# Altium PCB roach2.PcbDoc (part 7 of 39) (continued)
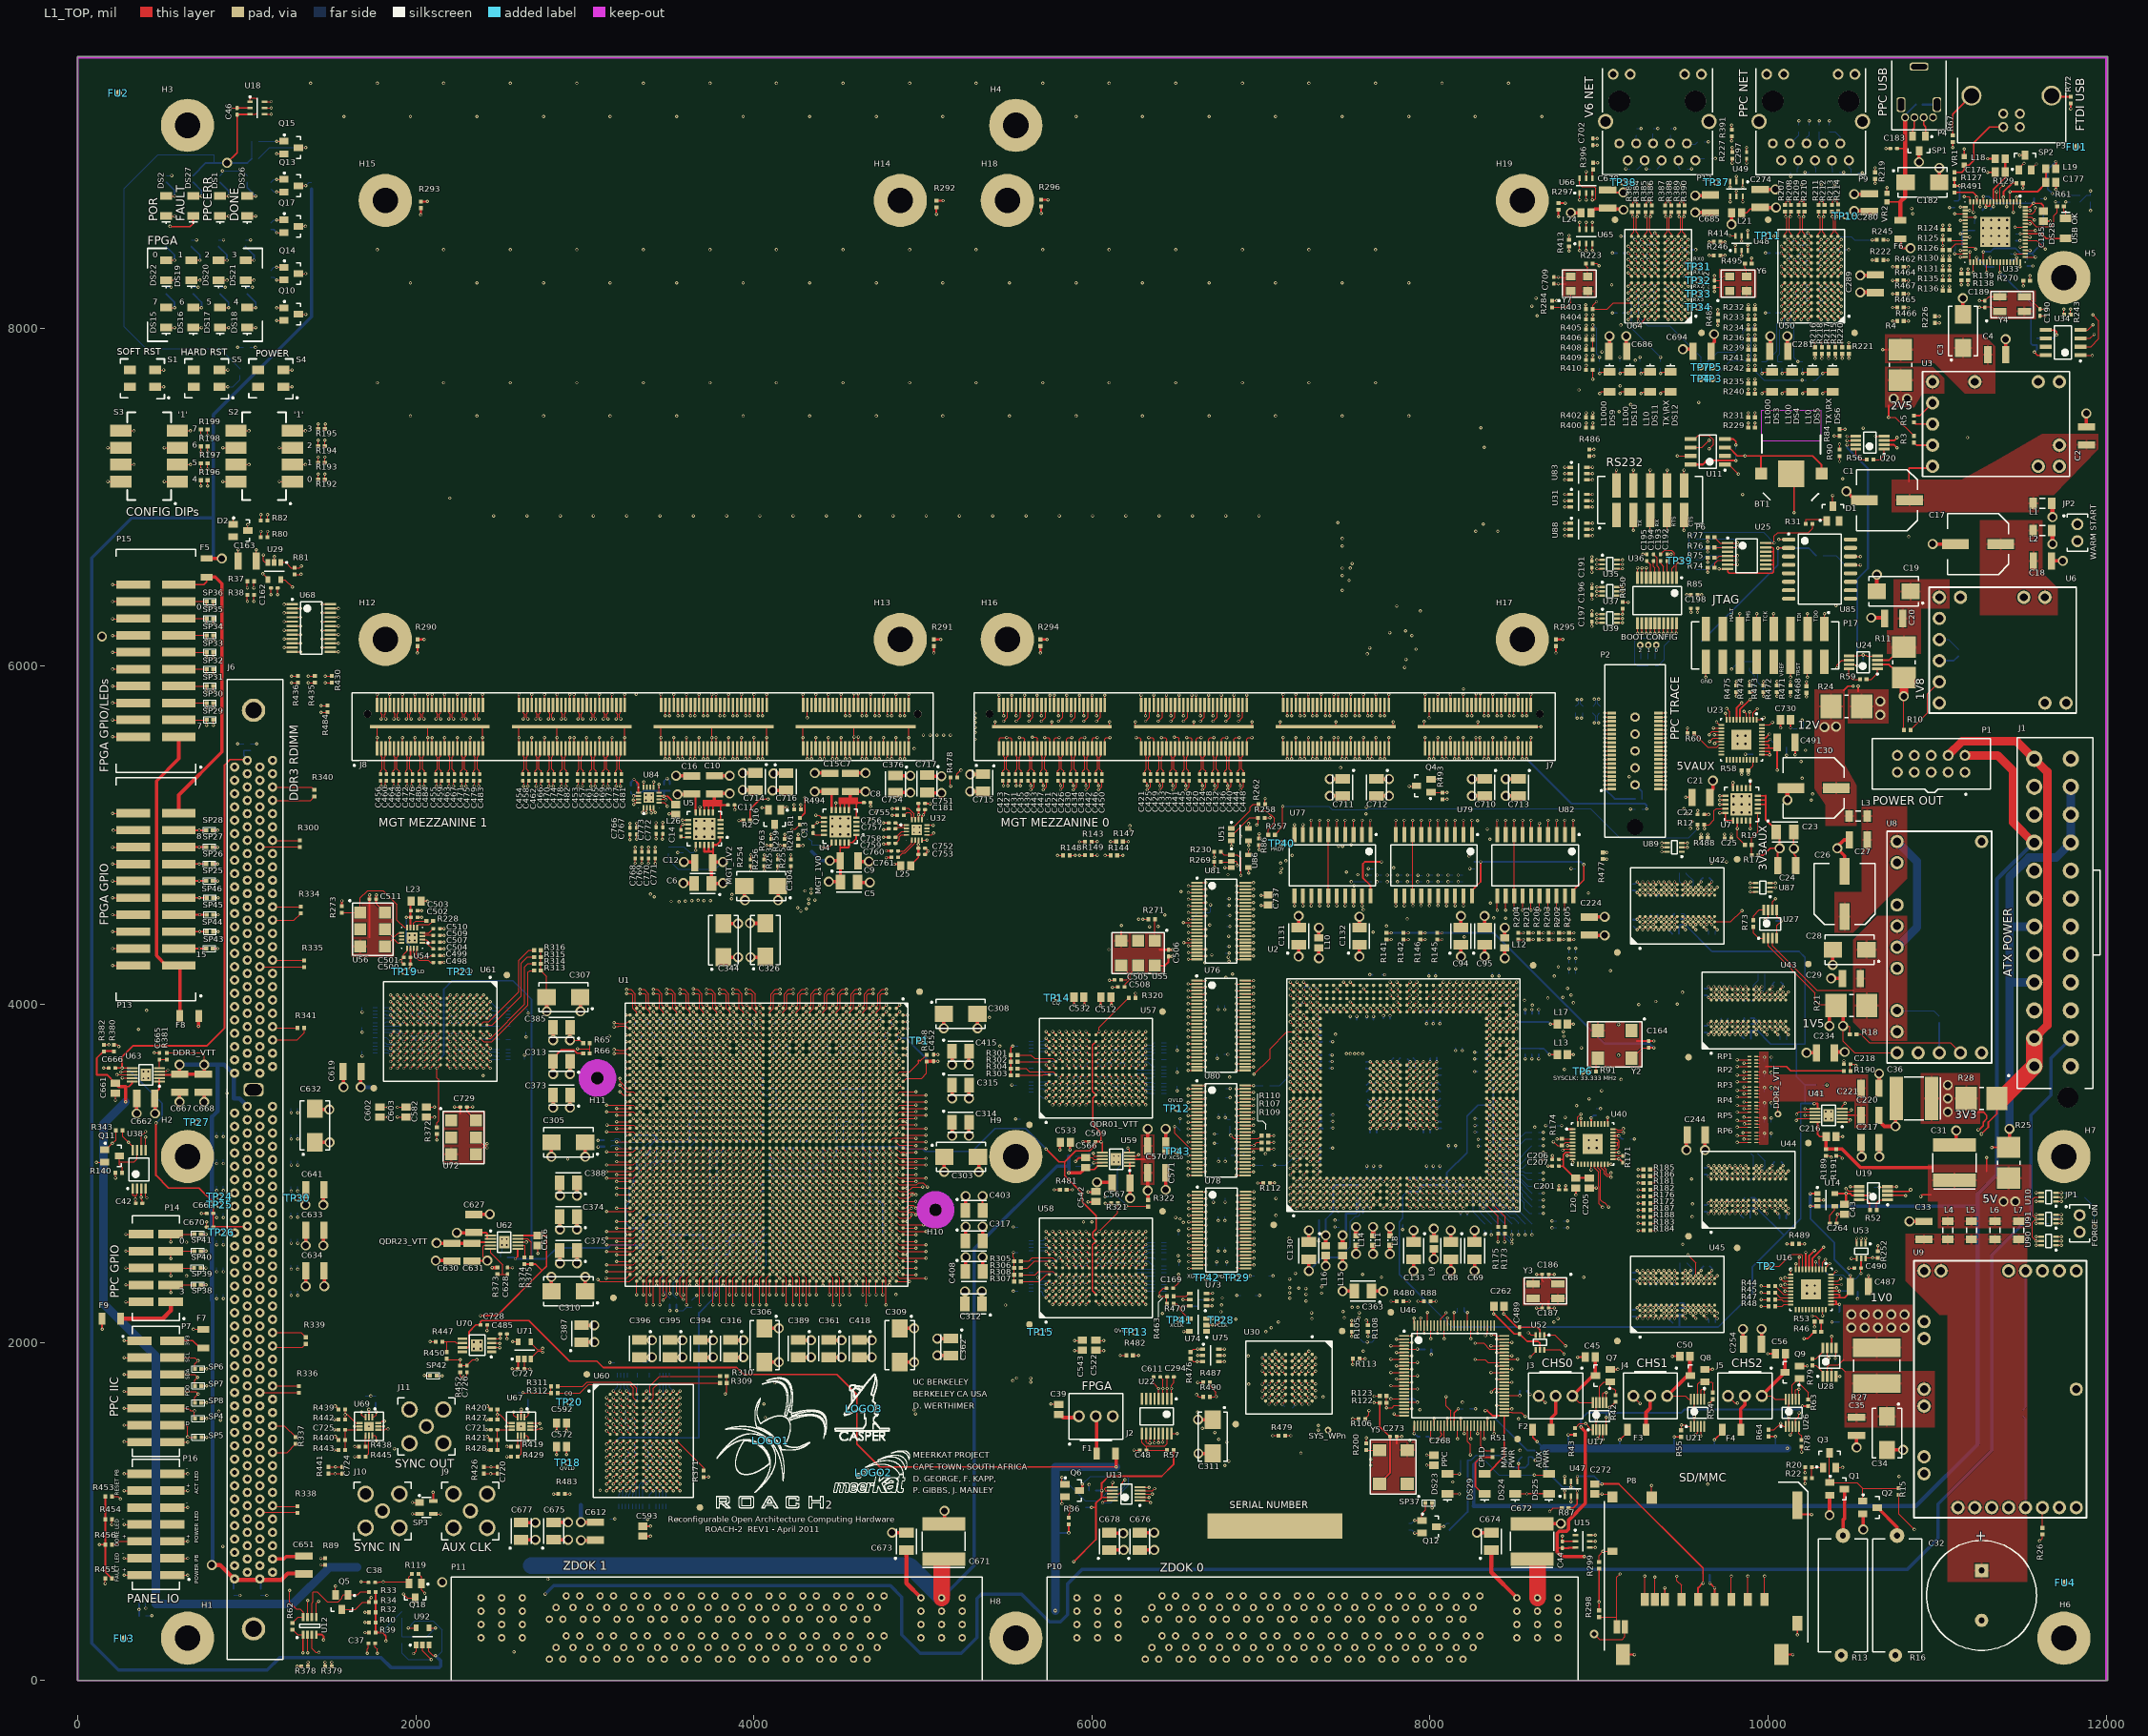
[diagram p0: L1_TOP view]
## Nets (pads, with @x,y where several pads share a name; then routed paths per layer and width w, separated by ;. In a path a pad name is that pad's centre, name@x,y a point inside that pad or via, vN(x,y) a via of type N, cw(c..) or ccw(c..) an arc to the next point about the centre after c; other vN are vias at no path point) (continued)
  L1_TOP w8: DS29.2@8322.99,1222.05 8336.22,1222.05 8439.25,1325.08 U46.51@8439.25,1566.77 ; R87.2@8819.69,1020 8846.77,1020 8870.08,1043.31 8870.08,1087.91 U47.3@8871.85,1089.68 ; R468.2@10226.99,5882.68 v7(10227,5909)
  L1_TOP w10: C727.2@2603.31,1842.99 2605.59,1845.28 U71.1@2605.59,1901.81 ; R2.2@3977.68,5087.99 3977.68,5155.68 4036,5214 v2(4084,5214) ; R1.2@4272.99,5102.68 4302,5131.69 v2(4302,5224) ; U77.20@7647.99,4641.89 7647.99,4703.3 7602.36,4748.93 7602.36,4830.71 7614.17,4842.52 v7(7712.6,4842.52) ; Y5.4@7700.31,1162.99 7763.31,1225.98 C273.2@7763.31,1442.99 ; R122.1@7703.31,1642.99 7703.31,1500.68 C273.2@7758.99,1444.99 ; U46.38@8142.99,1506.73 8142.99,1582.99 v2(8166.99,1606.99) ; U79.20@8247.99,4641.89 8247.99,4673.35 8299.2,4724.55 v7(8299.2,4842.51) ; v2(8326.99,1596.99) 8338.99,1596.99 8369.21,1566.77 U46.51@8439.25,1566.77 ; v2(8376.99,2168.99) 8380.01,2168.99 8498.69,2050.31 C489.2@8530,2050.31 8574.31,2006 8639.84,2006 8650,1995.84 U52.5@8650,1956.54 ; U82.20@8847.99,4641.89 8847.99,4674.76 8909.45,4736.22 v7(8909.45,4826.77) ; R298.2@9000,414.69 v2(9000,464) R299.2@9000,660.31 ; C164.2@9288.99,3742.99 v2(9323.99,3742.99) ; C490.2@10549.69,2440 10550,2440.32 U53.5@10550,2496.69 ; U19.2@10706.65,2870.2 10810.79,2870.2 v10(10812.99,2867.99) ; v10(11242.99,3257.99) 11247.99,3257.99 11272.99,3282.99 11272.99,3302.99 11292.99,3322.99 11292.99,3342.99 11272.99,3362.99 11242.99,3362.99
  L1_TOP w12: F9.2@144.88,2140 144.88,2078.12 v7(145,2078) ; v2@375.79,2859.65 U38.3@375.79,2909.8 ; C16.2@3646.99,5245.84 3655.81,5237.02 U5.10@3655.81,5134.46 ; U4.10@4459.81,5148.46 C15.2@4459.81,5251.02
  L1_TOP w20: v5@3535.99,5242.99 C16.2@3621.58,5242.99 ; v11(3933.99,5367.99) C714.1@4019.58,5367.99 ; v5(4360.99,5257.99) C15.2@4446.58,5257.99 ; v11(5279.99,5359.99) C715.1@5365.58,5359.99 ; L10.1@7342.99,4397.52 v5@7342.99,4442.99 ; v5@7382.99,2462.99 L16.2@7382.99,2508.46 ; v11(7407.99,5332.99) C711.1@7493.58,5332.99 ; v5@7482.99,2462.99 L15.1@7482.99,2508.46 ; v11(8247.99,5332.99) C710.1@8333.58,5332.99
  L1_TOP w25: C673.1@4902.99,771.81 4902.99,574.41 P11.Z3@4988.82,488.58 ; C674.1@8362.99,771.81 8362.99,639.41 P10.Z3@8513.82,488.58
  L3_S w3.8: v2(223.27,2972.8) v2@225.27,2972.8 ; v2(375.76,2859.62) v2@377.76,2859.62
  L3_S w10: v10(10812.99,2867.99) 10812.99,2922.99 10842.99,2952.99 10842.99,3002.99 10952.99,3112.99 11102.99,3112.99 11247.99,3257.99 v10(11242.99,3257.99)
  L5_S w70: P11.Z3@4988.82,488.58 P11.Y3@4988.82,409.84 P11.X3@4988.82,331.1 P11.W3@4988.82,252.36 4988.82,137.18 5076,50 8311.46,50 P10.W3@8513.82,252.36 P10.X3@8513.82,331.1 P10.Y3@8513.82,409.84 P10.Z3@8513.82,488.58
  L8_R w5: v2(7626.99,4764.36) v2(7686.99,4764.36) v2(7746.99,4764.36) v2(7806.99,4764.36) v2(7866.99,4764.36) 7928.09,4764.36 v2(7928.99,4763.47) 7945.47,4763.47 7962.56,4780.56 8030.79,4780.56 v2(8046.99,4764.36) v2(8106.99,4764.36)
  L8_R w12: v2(9458.15,6195.46) 9712.54,6195.46 9926,5982 9926,5908 9964,5870 10188,5870 v7(10227,5909)
  L9_R w10: v2(9281.68,5156.31) 9281.68,5016.75 9370.43,4928 v3(9371.28,4928) 9426,4928 9560,4794 9732,4794 9835,4691 v3(9894,4691)
  L12_S w12: v2(7746.99,4764.36) 7772.99,4738.36 7772.99,4424.99 v2(7770.99,4422.99)
  L14_S w10: v2(10549.69,2408.57) 10569.12,2428 10683,2428 10754,2499 10754,2809 v10(10812.99,2867.99)
  L14_S w12: 60.99,416.99 62.99,418.99 v2(362.99,418.99) ; 60.99,2076.99 v2(684.99,2076.99) ; 60.99,3106.99 62.71,3105.27 223.27,3105.27 ; 60.99,3896.99 62.99,3898.99 ; v2(300.99,3182.99) 223.27,3105.27 ; v2(375.76,2859.62) 375.76,2910.23 313.18,2972.8 v2(223.27,2972.8) 223.27,3105.27 ; J6.236@1077.8,757.95 1224.03,757.95 1259.1,722.88 v3(1438.33,722.88) 1771.1,722.88 1912.99,580.99 v5(2156.99,580.99) 2314.99,580.99 2576.99,842.99 2576.99,1530.99 2552.99,1554.99 2552.99,1826.31 v2(2570.68,1843.99)
  L14_S w50: v5(143.99,6175.99) 60.99,6092.99 60.99,3896.99 60.99,3106.99 60.99,2076.99 60.99,416.99 60.99,194.99 212.99,42.99 1940.99,42.99 2156.99,258.99 v5(2156.99,580.99)
  L16_BOT w5: R94.1@526,8903 v2@555.69,8903 ; R83.1@842.99,8902.68 856.99,8916.68 v2(856.99,8930.99) 974.68,8930.99 R457.1@1002.99,8902.68 ; v8(6746.96,2720.24) C734.2@6746.96,2744.24 ; v8(6786.23,3968.99) C738.2@6786.23,3992.99 ; v2(6787.99,2828.99) C742.2@6787.99,2852.99 ; v8(6788.23,3330.01) C748.2@6788.23,3354.01 ; v8@6788.99,3330.99 6802.31,3317.68 R121.1@6817.99,3317.68 ; C743.2@6794.99,4585.36 v8(6811.99,4585.36) ; C747.2@6798.99,4525.36 v2(6815.99,4525.36) ; R120.1@6822.99,3108.31 6824.85,3106.45 v1(6855.32,3106.45) ; v1@6854.99,3106.99 6891.68,3106.99 R117.1@6902.99,3118.31 ; C733.2@6967.3,2278.99 v2(6991.3,2278.99) ; C168.2@7027.56,1734.25 v1@7047.24,1753.94 ; C167.2@7066.93,1929.13 7068.9,1929.13 v1@7086.61,1946.85 ; C166.2@7187.01,1614.17 7204.73,1631.89 v1(7204.73,1633.86) ; R116.1@7582.99,2023.31 7603.31,2002.99 v2(7628.99,2002.99) 7657.68,2002.99 R118.1@7677.99,2023.31 ; v2@7627.31,4764.68 R99.2@7654.99,4764.68 ; v2@7687.31,4764.68 R98.2@7714.99,4764.68 ; v2@7747.31,4764.68 R97.2@7774.99,4764.68 ; v2(7768.55,1665.2) C263.2@7818.31,1665.2 ; v2@7807.31,4764.68 R100.2@7834.99,4764.68 ; v2@7867.31,4764.68 R102.2@7894.99,4764.68 ; v2@7929.31,4763.78 R101.2@7954.99,4763.78 ; v2@8047.31,4764.68 R104.2@8074.99,4764.68 ; v2@8107.31,4764.68 R103.2@8134.99,4764.68 ; v2(8142.99,2177.43) 8157.43,2177.43 8163.31,2183.31 C265.2@8163.31,2202.99 ; v2(8166.99,1606.99) C267.2@8197.31,1606.99 ; R96.2@9253.68,5155.99 v2@9281.36,5155.99 ; R342.2@9334,6004.31 9349.31,6004.31 9386,6041 9386,6121 9420,6155 9420,6182.9 v2(9432.56,6195.46) ; v7(10282,2476) 10357,2401 10440,2401 10463,2378 10519.12,2378 v2(10549.69,2408.57)
  L16_BOT w10: C732.2@7662.99,4842.68 7712.44,4842.68 v7(7712.6,4842.52) ; C741.2@8262.99,4842.68 8299.03,4842.68 v7(8299.2,4842.51) 8862.82,4842.51 C744.2@8862.99,4842.68 8893.54,4842.68 v7(8909.45,4826.77) ; v2(8326.99,1596.99) 8338.99,1596.99 8574.99,1360.99 8616.99,1360.99 8686.99,1290.99 8686.99,1240.03 8782.15,1144.87 v2(8834.45,1144.87) 8848.1,1144.87 v2(8871.85,1121.12)
  L16_BOT w12: v2(362.99,418.99) v2@363.31,418.68 ; R377.2@363.31,382.99 v2@363.31,418.68 ; R376.2@363.31,462.99 v2@363.31,418.68 ; v2(7770.99,4422.99) v2(7870.99,4422.99) v2(7970.99,4422.99) v2(8070.99,4422.99) 8376.99,4422.99 9032.99,3766.99 9299.99,3766.99 v2(9323.99,3742.99) ; v2(7924.91,1960.47) 7927.39,1957.99 C266.2@7968.31,1957.99 ; v2(8571.28,5452.7) 8836.99,5186.99 9270.99,5186.99 9281.68,5176.31 v2(9281.68,5156.31)
  other v1: 6858.42,2556.05 6958.42,2772.9 6955.32,3402.04 6671.89,3521.09 6569.89,3609.28 6855.32,3727.39 6955.32,4022.98 6669.89,4141.09 6956.22,4601.58
  other v2: 7669.31,1642.99 6784.3,1960.39 6710,2216 8036.68,2242.99 7000.28,4644.59 6723.71,4810.28 6723.71,4870.28 6926.76,4916.57 556,8903.31
  other v5: 7382.99,2452.99 7482.99,2452.99 11062.99,3362.99 11062.99,3442.99 11062.99,3522.99 7342.99,4452.99 3547.99,5241.99
3V3_PPC: C102.2 C103.2 C104.2 C105.2 C106.2 C107.2 C108.2 C109.2 C110.2 C130.1 C131.1 C134.2 C135.2 C155.2 C156.2 C157.2 C158.2 C159.2 C160.2 C161.2 L10.2 U2.B5 U2.B12 U2.B23 U2.B30 U2.E2 U2.E6 U2.E7 U2.E9 U2.E17 U2.E26 U2.E28 U2.E29 U2.E33 U2.F5 U2.F30 U2.G5 U2.G30 U2.J5 U2.J30 U2.M2 U2.M33 U2.N14 U2.N21 U2.P13 U2.P22 U2.U30 | length 1415.8
  L1_TOP w5: v1(7213.07,2951.18) U2.B5@7232.76,2970.87 ; v1(7213.07,3226.77) U2.B12@7232.76,3246.46 ; v1(7213.07,3699.21) U2.B23@7232.76,3679.53 ; v1(7213.07,3974.8) U2.B30@7232.76,3955.12 ; v1(7331.18,2833.07) U2.E2@7350.87,2852.76 ; v1(7331.18,2990.55) U2.E6@7350.87,3010.24 ; v1(7331.18,3029.92) U2.E7@7350.87,3049.61 ; v1(7331.18,3108.66) U2.E9@7350.87,3128.35 ; v1(7331.18,3423.62) U2.E17@7350.87,3443.31 ; v1(7331.18,3817.32) U2.E26@7350.87,3797.64 ; v1(7331.18,3896.06) U2.E28@7350.87,3876.38 ; v1(7331.18,3935.43) U2.E29@7350.87,3915.75 ; v1(7331.18,4092.91) U2.E33@7350.87,4073.23 ; v1(7370.55,2951.18) U2.F5@7390.24,2970.87 ; v1(7370.55,3974.8) U2.F30@7390.24,3955.12 ; v1(7409.92,2951.18) U2.G5@7429.61,2970.87 ; v1(7409.92,3974.8) U2.G30@7429.61,3955.12 ; v1(7488.66,2951.18) U2.J5@7508.35,2970.87 ; v1(7488.66,3974.8) U2.J30@7508.35,3955.12 ; v1(7606.77,2833.07) U2.M2@7626.46,2852.76 ; v1(7606.77,4092.91) U2.M33@7626.46,4073.23 ; v1(7646.14,3305.51) U2.N14@7665.83,3325.2 ; v1(7646.14,3620.47) U2.N21@7665.83,3600.79 ; v1(7685.51,3266.14) U2.P13@7705.2,3285.83 ; v1(7685.51,3659.84) U2.P22@7705.2,3640.16 ; v1(7803.62,3974.8) U2.U30@7823.31,3955.12
  L1_TOP w20: v5@7222.99,4292.99 C131.1@7222.99,4338.46 ; C130.1@7282.99,2607.52 v5@7282.99,2652.99 ; v5@7342.99,4282.99 L10.2@7342.99,4328.46
  L16_BOT w10: v1@7212.6,3972.44 7213.07,3972.44 7214.57,3972.44 C157.2@7232.28,3954.72 ; v1@7218.5,2954.72 7232.28,2968.5 C106.2@7232.28,2970.47 ; C158.2@7311.02,4112.2 7330.71,4092.52 7331.18,4092.52 v1@7332.68,4092.52 ; v1@7326.77,3893.7 7330.16,3897.09 C160.2@7350.39,3917.32 7331.73,3935.99 7330.71,3937.01 v1@7326.77,3937.01 ; v1(7331.18,2833.07) 7331.18,2835.12 C105.2@7342.52,2846.46 ; v1(7331.18,2990.55) 7348.43,3007.8 7348.43,3007.87 C110.2@7350.39,3009.84 ; v1(7331.18,3029.92) 7345.35,3015.75 C110.2@7348.43,3015.75 ; v1(7331.18,3108.66) 7350,3108.66 7350.39,3108.27 C155.2@7354.33,3110.24 ; v1(7331.18,3423.62) 7350,3423.62 7352.36,3421.26 C156.2@7356.3,3423.23 ; v1(7331.18,3817.32) 7354.33,3817.32 C161.2@7355.9,3817.32 ; C161.2@7354.33,3814.96 7358.27,3814.96 C161.2@7356.3,3816.93 ; v1@7370.08,3972.44 C159.2@7389.76,3952.76 v1@7409.45,3972.44 ; v1(7370.55,2951.18) 7381.89,2962.52 C108.2@7381.89,2966.54 ; C108.2@7389.76,2970.47 7409.45,2950.79 7409.92,2950.79 v1@7411.42,2950.79 ; C102.2@7407.48,3149.61 v1(7423.23,3149.61) v1@7427.17,3149.61 ; C103.2@7407.48,3779.53 v1(7423.23,3779.53) v1@7427.17,3779.53 ; v1(7488.66,2951.18) 7488.66,2965.04 C107.2@7492.13,2968.5 ; v1@7610.24,2834.65 7625.98,2850.39 C109.2@7625.98,2852.36 ; C134.2@7622.05,3622.05 7622.05,3618.11 C134.2@7624.02,3620.08 ; v2@7639.76,4175.2 v2(7643.7,4175.2) C104.2@7659.45,4175.2 ; v1(7646.14,3620.47) C134.2@7624.41,3620.47 ; C135.2@7685.04,3240.16 v1@7685.04,3263.78 ; C161.2@7355.9,3817.32 C161.2@7356.3,3816.94 ; C161.2@7355.9,3817.32 C161.2@7356.3,3816.94 ; C134.2@7624.41,3620.47 7624.02,3620.08 C134.2@7624.41,3620.47
  other v5: 7282.99,2662.99 7342.99,4272.99 7222.99,4282.99
3V3AUX: C23.1 C24.2 C44.2 C46.2 C172.2 C173.2 C174.2 C175.2 C180.2 C188.2 C774.2 C777.2 C778.2 C779.2 DS28.2 L18.1 L19.1 R12.2 R17.2 R31.2 R32.2 R33.2 R34.2 R35.2 R39.2 R40.2 R41.1 R42.2 R49.2 R50.2 R54.2 R57.2 R62.2 R63.2 R68.2 R69.2 R70.2 R71.2 R132.2 R133.2 R134.2 R224.1 R257.2 R288.2 R289.2 R346.2 R348.2 R453.1 R454.1 R455.1 R456.1 U7.1 U7.18 U7.19 U7.20 U10.5 U12.1 U13.9 U15.3 U16.38 U17.5 U17.9 U18.1 U18.3 U21.9 U25.14 U26.9 U33.20 U33.31 U33.42 U33.50 U33.56 U34.8 U90.5 U91.5 | length 29773.4
  L1_TOP w5: U18.3@1019.68,9265.59 1052.99,9265.59 1062.99,9275.59 1062.99,9350.39 1051.18,9362.2 1023.62,9362.2 1019.68,9358.27 U18.1@1019.68,9340.39 ; R62.2@1270,300.31 1300.51,269.8 U12.1@1332.99,269.8 ; R257.2@7082.68,5002.99 7129,5049.31 v7(7129,5172) ; v2(8983.31,1582.68) U17.9@8983.31,1643.7 ; U17.5@9042.36,1482.28 v2@9042.36,1556.36 ; v2(9563.31,1602.68) U21.9@9563.31,1663.7 ; v3(9583.31,5039.46) R12.2@9583.31,5062.99 ; U25.14@9985.2,6729.76 v2(10036.05,6729.76) ; v2@10037.05,6730.76 v2(10036.05,6729.76) ; v2(10123.31,1602.68) U26.9@10123.31,1663.7 ; R31.2@10262.68,6842.99 10262.68,6814.68 10238.99,6790.99 10056.99,6790.99 10036.05,6770.05 v2(10036.05,6729.76) ; U16.38@10372.09,2362.2 10414.2,2362.2 v7(10430,2378) ; v2(11104.38,8441.04) U33.31@11164.84,8441.04 ; U33.20@11164.84,8657.57 v3(11225.3,8657.57) ; v2(11372.52,8330.38) U33.42@11372.52,8390.84 ; v3(11460.68,8441.04) U33.50@11521.14,8441.04 ; v3@11493.65,8559.15 U33.56@11521.14,8559.15 ; U90.5@11616.69,2600 v2(11585.26,2600) 11564,2621.26 11564,2708.74 v2(11585.26,2730) ; U91.5@11616.69,2730 v2(11585.26,2730) ; U10.5@11616.69,2860 11578,2860 11566,2848 11566,2749.26 v2(11585.26,2730)
  L1_TOP w10: v10(127.99,802.99) R456.1@163.31,802.99 ; R454.1@162.99,952.99 163.31,952.68 R456.1@163.31,802.99 ; R453.1@162.99,1082.99 163.31,1082.68 R454.1@163.31,952.99 ; R455.1@202.68,602.99 163.31,642.36 R456.1@163.31,802.99 ; v5(882.99,8977.99) 942.99,9037.99 C46.2@942.99,9262.99 ; C46.2@942.99,9263.31 C46.2@942.99,9262.99 ; U18.3@1019.68,9265.59 945.59,9265.59 C46.2@942.99,9262.99 ; v10(1332.99,162.99) 1332.99,269.8 U12.1@1334.61,271.42 ; R39.2@1762.68,282.99 R40.2@1762.68,342.99 R32.2@1762.68,402.99 1762.68,462.68 R34.2@1762.99,462.99 ; R34.2@1762.68,462.99 1762.68,522.68 R33.2@1762.99,522.99 ; R39.2@1767.99,282.99 1802.99,282.99 1822.99,262.99 v10(1822.99,232.99) ; v10(5892.99,702.99) 6022.99,832.99 6022.99,1022.99 ; v10(5997.99,1022.99) 6022.99,1022.99 ; U13.9@6122.28,1083.31 6057.99,1083.31 ; R57.2@6482.99,1362.99 6482.99,1277.99 6412.99,1207.99 6097.99,1207.99 6057.99,1167.99 v10(6057.99,1122.99) 6057.99,1083.31 ; 8751.97,783.46 8752.13,783.31 C44.2@8782.99,783.31 ; C44.2@8782.99,782.99 8817.99,782.99 ; 8820.87,782.99 8817.99,782.99 ; U15.3@8859.68,785.59 8820.59,785.59 8817.99,782.99 ; v2@9042.36,1556.36 v2(9042.99,1556.99) ; v2(9063.03,1614.99) 9064.68,1614.99 R42.2@9097.99,1648.31 ; v2(9651.89,1636.99) 9672.99,1658.09 R54.2@9672.99,1663.31 ; U7.1@9894.17,5278.46 v3(9894.17,5325.99) ; U7.18@9938.46,5182.99 9985.99,5182.99 ; U7.19@9938.46,5208.58 9985.99,5208.58 ; U7.20@9938.46,5234.17 9985.99,5234.17 ; R17.2@9942.68,4882.99 9971.81,4882.99 10011.81,4922.99 v5(10067.99,4922.99) ; v2(10203.03,1622.99) 10237.68,1622.99 R63.2@10237.99,1623.31 ; v2(11298.68,9002.68) L18.1@11343.46,9002.68 ; U33.56@11521.14,8559.15 11522.13,8558.16 11617.07,8558.16 11644.29,8530.94 DS28.2@11760.41,8530.94 ; v7(11574.8,7858.27) 11593.07,7840 U34.8@11642.64,7840 ; 6022.99,1022.99 6022.99,1047.99 6057.99,1082.99 6057.99,1083.31
  L1_TOP w12: 9985.99,5234.17 9985.99,5208.58 9985.99,5182.99 9985.99,5092.75 10048.82,5029.92 C23.1@10048.82,5020 10067.99,5000.83 v5(10067.99,4922.99) 10056.85,4911.85 C24.2@10056.85,4820 ; L19.1@11702.52,8943.31 v2(11702.52,8985.62)
  L1_TOP w20: v2(8892.99,1498.99) 8919.29,1472.69 8919.29,1047.24 8820.87,948.82 8820.87,895.67 8807.09,881.89 8763.78,881.89 8751.97,870.08 8751.97,783.46 8751.97,759.84 8778.82,732.99 v10(8912.99,732.99)
  L5_S w5: v2(11585.26,2730) 11627,2730 11680,2677 11744,2677 11769.99,2702.99 11914.99,2702.99 v3(11928.99,2688.99)
  L9_R w3.8: v3(9583.31,5039.46) 9606.83,5062.99 9927.99,5062.99 v5(10067.99,4922.99)
  L12_S w5: v7(10430,2378) 10463,2378 10489,2352 11902,2352 11907,2347
  L12_S w10: 77.99,802.99 v10(127.99,802.99) ; 1332.99,72.99 v10(1332.99,162.99) ; 1822.99,92.99 v10(1822.99,232.99) ; 5852.99,82.99 5852.99,662.99 v10(5892.99,702.99)
  L12_S w20: 8912.99,57.99 v10(8912.99,732.99)
  L12_S w50: 67.99,87.99 67.99,8812.99 232.99,8977.99 v5(882.99,8977.99)
  L16_BOT w5: 809,8977.99 808,8978.99 808,9026 475,9026 275,8826 275,8008 404,7879 840.69,7879 R346.2@960,7759.69 ; R288.2@1029.81,9003.49 R289.2@1029.81,9104.99 ; v10(1822.99,232.99) 1822.99,312.68 R348.2@1920,409.69 ; v7(7129,5172) 7401,5172 7422.21,5150.79 7629.7,5150.79 7636.91,5158 8949,5158 9121,4986 9529.84,4986 v3(9583.31,5039.46) ; R68.2@9533.31,6572.99 R69.2@9533.31,6632.99 R70.2@9533.31,6692.99 R71.2@9533.31,6752.99 9573.31,6792.99 9972.83,6792.99 v2(10036.05,6729.76) ; v7(9784,5983) 9830.69,6029.69 R50.2@9940,6029.69 ; v2(11104.38,8441.04) 11104.38,8462.38 11108.31,8466.31 C174.2@11108.31,8487.99 ; C175.2@11222.99,8617.68 11222.99,8636.99 11225.3,8639.3 v3(11225.3,8657.57) ; v2(11372.52,8330.38) 11372.68,8330.54 C173.2@11372.68,8362.99 ; C180.2@11432.99,8442.68 11434.63,8441.04 v3(11460.68,8441.04) ; C172.2@11465.99,8557.68 11467.46,8559.15 v3(11491.65,8559.15) ; v2(11680.99,8796.99) 11692.31,8785.68 R133.2@11726.99,8785.68 R132.2@11786.99,8785.68 R134.2@11846.99,8785.68 ; R41.1@11869.68,2860 11928.99,2800.69 v3(11928.99,2688.99)
  L16_BOT w8: v2(11680.99,8796.99) 11654.99,8822.99 11654.99,8938.1 v2(11702.52,8985.62)
  L16_BOT w10: R224.1@682.99,8902.99 757.99,8977.99 809,8977.99 v5(882.99,8977.99) 1004.31,8977.99 R288.2@1029.81,9003.49 ; R35.2@5962.99,1023.31 5997.68,1023.31 v10(5997.99,1022.99) ; C774.2@6022.68,1122.99 v10(6057.99,1122.99) ; 9063.03,1582.68 v2(9063.03,1614.99) ; v2@11372.68,8330.54 11555.12,8148.1 11555.12,7909.45 11564.25,7900.32 C188.2@11590,7900.32 11590,7873.46 v7(11574.8,7858.27)
  L16_BOT w12: v2(8892.99,1498.99) 8892.99,1544.99 8930.68,1582.68 C777.2@8952.99,1582.68 v2(8983.31,1582.68) 9042.99,1582.68 ; v2(9042.99,1556.99) 9042.99,1582.68 ; v2(9651.89,1636.99) 9651.89,1605.78 9654.99,1602.68 ; v2(10203.03,1622.99) 10182.72,1602.68 v2(10123.31,1602.68) C779.2@10092.99,1602.68 9654.99,1602.68 ; 9042.99,1582.68 9063.03,1582.68 9484.68,1582.68 9504.68,1602.68 C778.2@9537.99,1602.68 v2(9563.31,1602.68) 9654.99,1602.68
3V3MON: J1.1 J1.2 J1.12 P1.4 R28.1 U19.3 | length 3764.1
  L1_TOP w10: U19.3@10706.65,2895.79 10702.99,2892.99 10832.99,2892.99 v10(10842.99,2902.99) ; v10(11262.99,3232.99) 11302.99,3272.99 11302.99,3302.99 11353.54,3353.54 R28.1@11353.54,3442.99
  L1_TOP w50: P1.4@11064.88,5472.99 11147.89,5556 11471.16,5556 11651.95,5375.21 11651.95,3876.13 J1.2@11574.72,3798.9
  L1_TOP w100: R28.1@11353.54,3442.99 11384.17,3442.99 J1.1@11574.72,3633.54 J1.2@11574.72,3798.9
  L3_S w10: v10(10842.99,2902.99) 10862.99,2922.99 10862.99,2992.99 10962.99,3092.99 11122.99,3092.99 v10(11262.99,3232.99)
3V8AUX: C43.2 C47.2 C49.2 C54.2 C55.2 C57.2 U14.5 U19.7 U20.7 U24.7 U27.7 U28.7 | length 6988.1
  L1_TOP w5: v2@9982.99,4500.99 10000.2,4518.2 U27.7@10000.2,4558.46 ; U28.7@10350.2,1966.65 10350.2,1914.42 v8(10358.31,1906.31) ; v2(10467.33,7310.2) U20.7@10519.33,7310.2 ; U24.7@10479.33,6010.2 10519.37,6010.2 v10(10526.57,6002.99)
  L1_TOP w12: U14.5@10394.17,2880.39 10394.77,2880.99 v2(10460.99,2880.99) ; C43.2@10452.99,2817.52 10460.99,2825.52 v2(10460.99,2880.99) ; v2(10598.31,2878.31) 10590.2,2870.2 U19.7@10539.33,2870.2 10495.79,2870.2 10484.99,2880.99 v2(10460.99,2880.99)
  L12_S w10: v8(10358.31,1906.31) 10358.29,2425.29 10462,2529 10462,2656 10598.31,2792.31 v2(10598.31,2878.31)
  L12_S w12: v2(10460.99,2880.99) 10430.99,2910.99 10430.99,2990.99 10472.99,3032.99 10472.99,3188.99 10538.99,3254.99 10538.99,3724.99 10504.99,3758.99 10504.99,4250.99 10320.99,4434.99 10046.99,4434.99 v2(9980.99,4500.99) 9950.99,4530.99 9950.99,5060.99 9980.99,5090.99 10072.99,5090.99 10272.99,5290.99 10272.99,5749.41 v10(10526.57,6002.99)
  L16_BOT w5: C57.2@10358.31,1882.99 v8(10358.31,1906.31) ; v2(10467.33,7310.2) 10492.09,7310.2 C49.2@10497.99,7316.1 ; v10@10533.26,5998.31 C54.2@10562.99,5998.31 ; v2(10598.31,2878.31) C47.2@10627.99,2878.31
  L16_BOT w12: v2(9980.99,4500.99) 10000.31,4500.99 C55.2@10008.31,4492.99 ; v2(10467.33,7310.2) 10467.33,7293.65 10590.99,7169.99 10590.99,6578.99 10526.57,6514.57 v10(10526.57,6002.99)
5V: C31.1 C216.2 C566.2 C626.2 C661.2 C671.1 C672.1 C718.2 C722.2 F6.2 L4.1 L5.1 L6.1 L7.1 P10.W2 P10.X2 P10.Y2 P10.Z2 P11.W2 P11.X2 P11.Y2 P11.Z2 R13.2 R15.2 R25.2 R189.2 R191.2 R323.1 R324.1 R374.1 R375.1 R380.1 R382.1 R420.1 R421.2 R437.1 R439.1 R440.2 R444.1 R446.2 SP3.4 U16.5 U23.7 U41.10 U59.10 U62.10 U63.10 U67.2 U69.2 | length 19834.6
  L1_TOP w5: R15.2@10772.99,1098.31 10772.99,984.99 v2(10864.99,892.99)
  L1_TOP w10: R380.1@212.99,3722.99 152.99,3722.99 112.99,3682.99 112.99,3582.99 172.52,3582.99 C661.2@222.99,3532.52 ; 282.99,3512.99 302.99,3512.99 322.28,3532.28 U63.10@322.28,3543.62 ; v12(1522.99,1442.99) 1523.31,1442.99 R440.2@1543.31,1422.99 ; v12(1522.99,1622.99) 1523.31,1622.99 R439.1@1543.31,1602.99 ; U69.2@1722.99,1554.17 1722.99,1592.99 ; SP3.4@2104.33,1060.79 v10@2104.33,1111.65 ; v2(2382.99,2157.99) 2479.99,2157.99 2746.99,2424.99 ; v12(2422.99,1442.99) 2442.99,1422.99 R421.2@2443.31,1422.99 ; v12(2422.99,1622.99) 2423.31,1622.99 R420.1@2443.31,1602.99 ; U62.10@2603.7,2632.36 2722.83,2632.36 C626.2@2722.99,2632.52 ; U67.2@2622.99,1554.17 2622.99,1592.99 ; R374.1@2642.99,2463.31 R375.1@2682.99,2463.31 2708.68,2463.31 2746.99,2424.99 ; C626.2@2737.99,2632.99 2737.36,2632.36 2772.99,2632.36 2772.99,2450.99 2746.99,2424.99 ; C566.2@5952.99,3022.99 6012.99,3022.99 U59.10@6032.99,3042.99 ; U23.7@9813.46,5684.09 9813.46,5753.46 v2(9842.99,5782.99) ; U16.5@10262.83,2432.09 10262.83,2497.83 v7(10327.99,2562.99) ; U41.10@10292.99,3302.99 10292.99,3230.59 10305.59,3217.99 C216.2@10343.46,3217.99 ; F6.2@10782.99,8527.87 10786,8524.87 10786,8480 10793.01,8472.99 v5(10842.99,8472.99) ; v2(10902.99,2862.99) 10912.99,2872.99 10962.99,2872.99 ; 11292.99,3012.99 v2(11292.99,3092.99)
  L1_TOP w20: C661.2@232.99,3522.99 242.99,3512.99 282.99,3512.99 v10(282.99,3422.99) ; v10(5862.99,3002.99) 5932.99,3002.99 C566.2@5952.99,3022.99 ; C216.2@10342.99,3202.99 10342.99,3142.99 10437.99,3142.99 10547.99,3032.99 10962.99,3032.99
  L1_TOP w100: P11.Z2@5110.87,488.58 5110.87,700.87 C671.1@5112.99,702.99 ; C672.1@8632.99,702.99 8635.87,700.12 P10.Z2@8635.87,488.58
  L3_S w10: v10(8622.99,1302.99) 8635.87,1290.12 P10.Z2@8635.87,488.58 ; v7(10327.99,2562.99) 10412,2647 10687,2647 v2(10902.99,2862.99)
  L5_S w10: v2(9842.99,5782.99) 10012.81,5782.99 11322.99,4472.81 11322.99,3622.99 11292.99,3592.99 v2(11292.99,3092.99)
  L16_BOT w10: R446.2@8115.43,889.88 8222.68,997.13 R437.1@8222.68,1302.99 8242.99,1302.99 8271,1331 8417,1331 8489,1259 8562,1259 8582.68,1279.68 R444.1@8582.68,1322.99 ; R444.1@8582.99,1322.99 8602.99,1322.99 v10(8622.99,1302.99)
  L16_BOT w20: P11.Z2@5110.87,488.58 5302.99,680.71 5302.99,2552.99 5792.99,3042.99 5862.99,3042.99 R323.1@5862.99,3102.99 ; v10(5862.99,3002.99) 5863.31,3003.31 R324.1@5863.31,3042.99
  L16_BOT w50: v10(282.99,3422.99) 152.99,3292.99 152.99,2227.01 462.99,1917.01 462.99,452.99 1272.99,452.99 1489.29,669.29 1653.54,669.29
  L16_BOT w100: 2682.99,679.99 4915.99,679.99 4922.99,672.99 ; 4926.46,672.99 P11.Z2@5110.87,488.58
  other v5: 11392.99,2832.99 11462.99,2832.99
  other v10: 2102.99,1112.99 1722.99,1602.99 2622.99,1602.99